# Allegro board 1156197-TDI_VU3P_QSFP28_CXP_V001_1023A-166-20241121_1644_PCB.brd (continued)
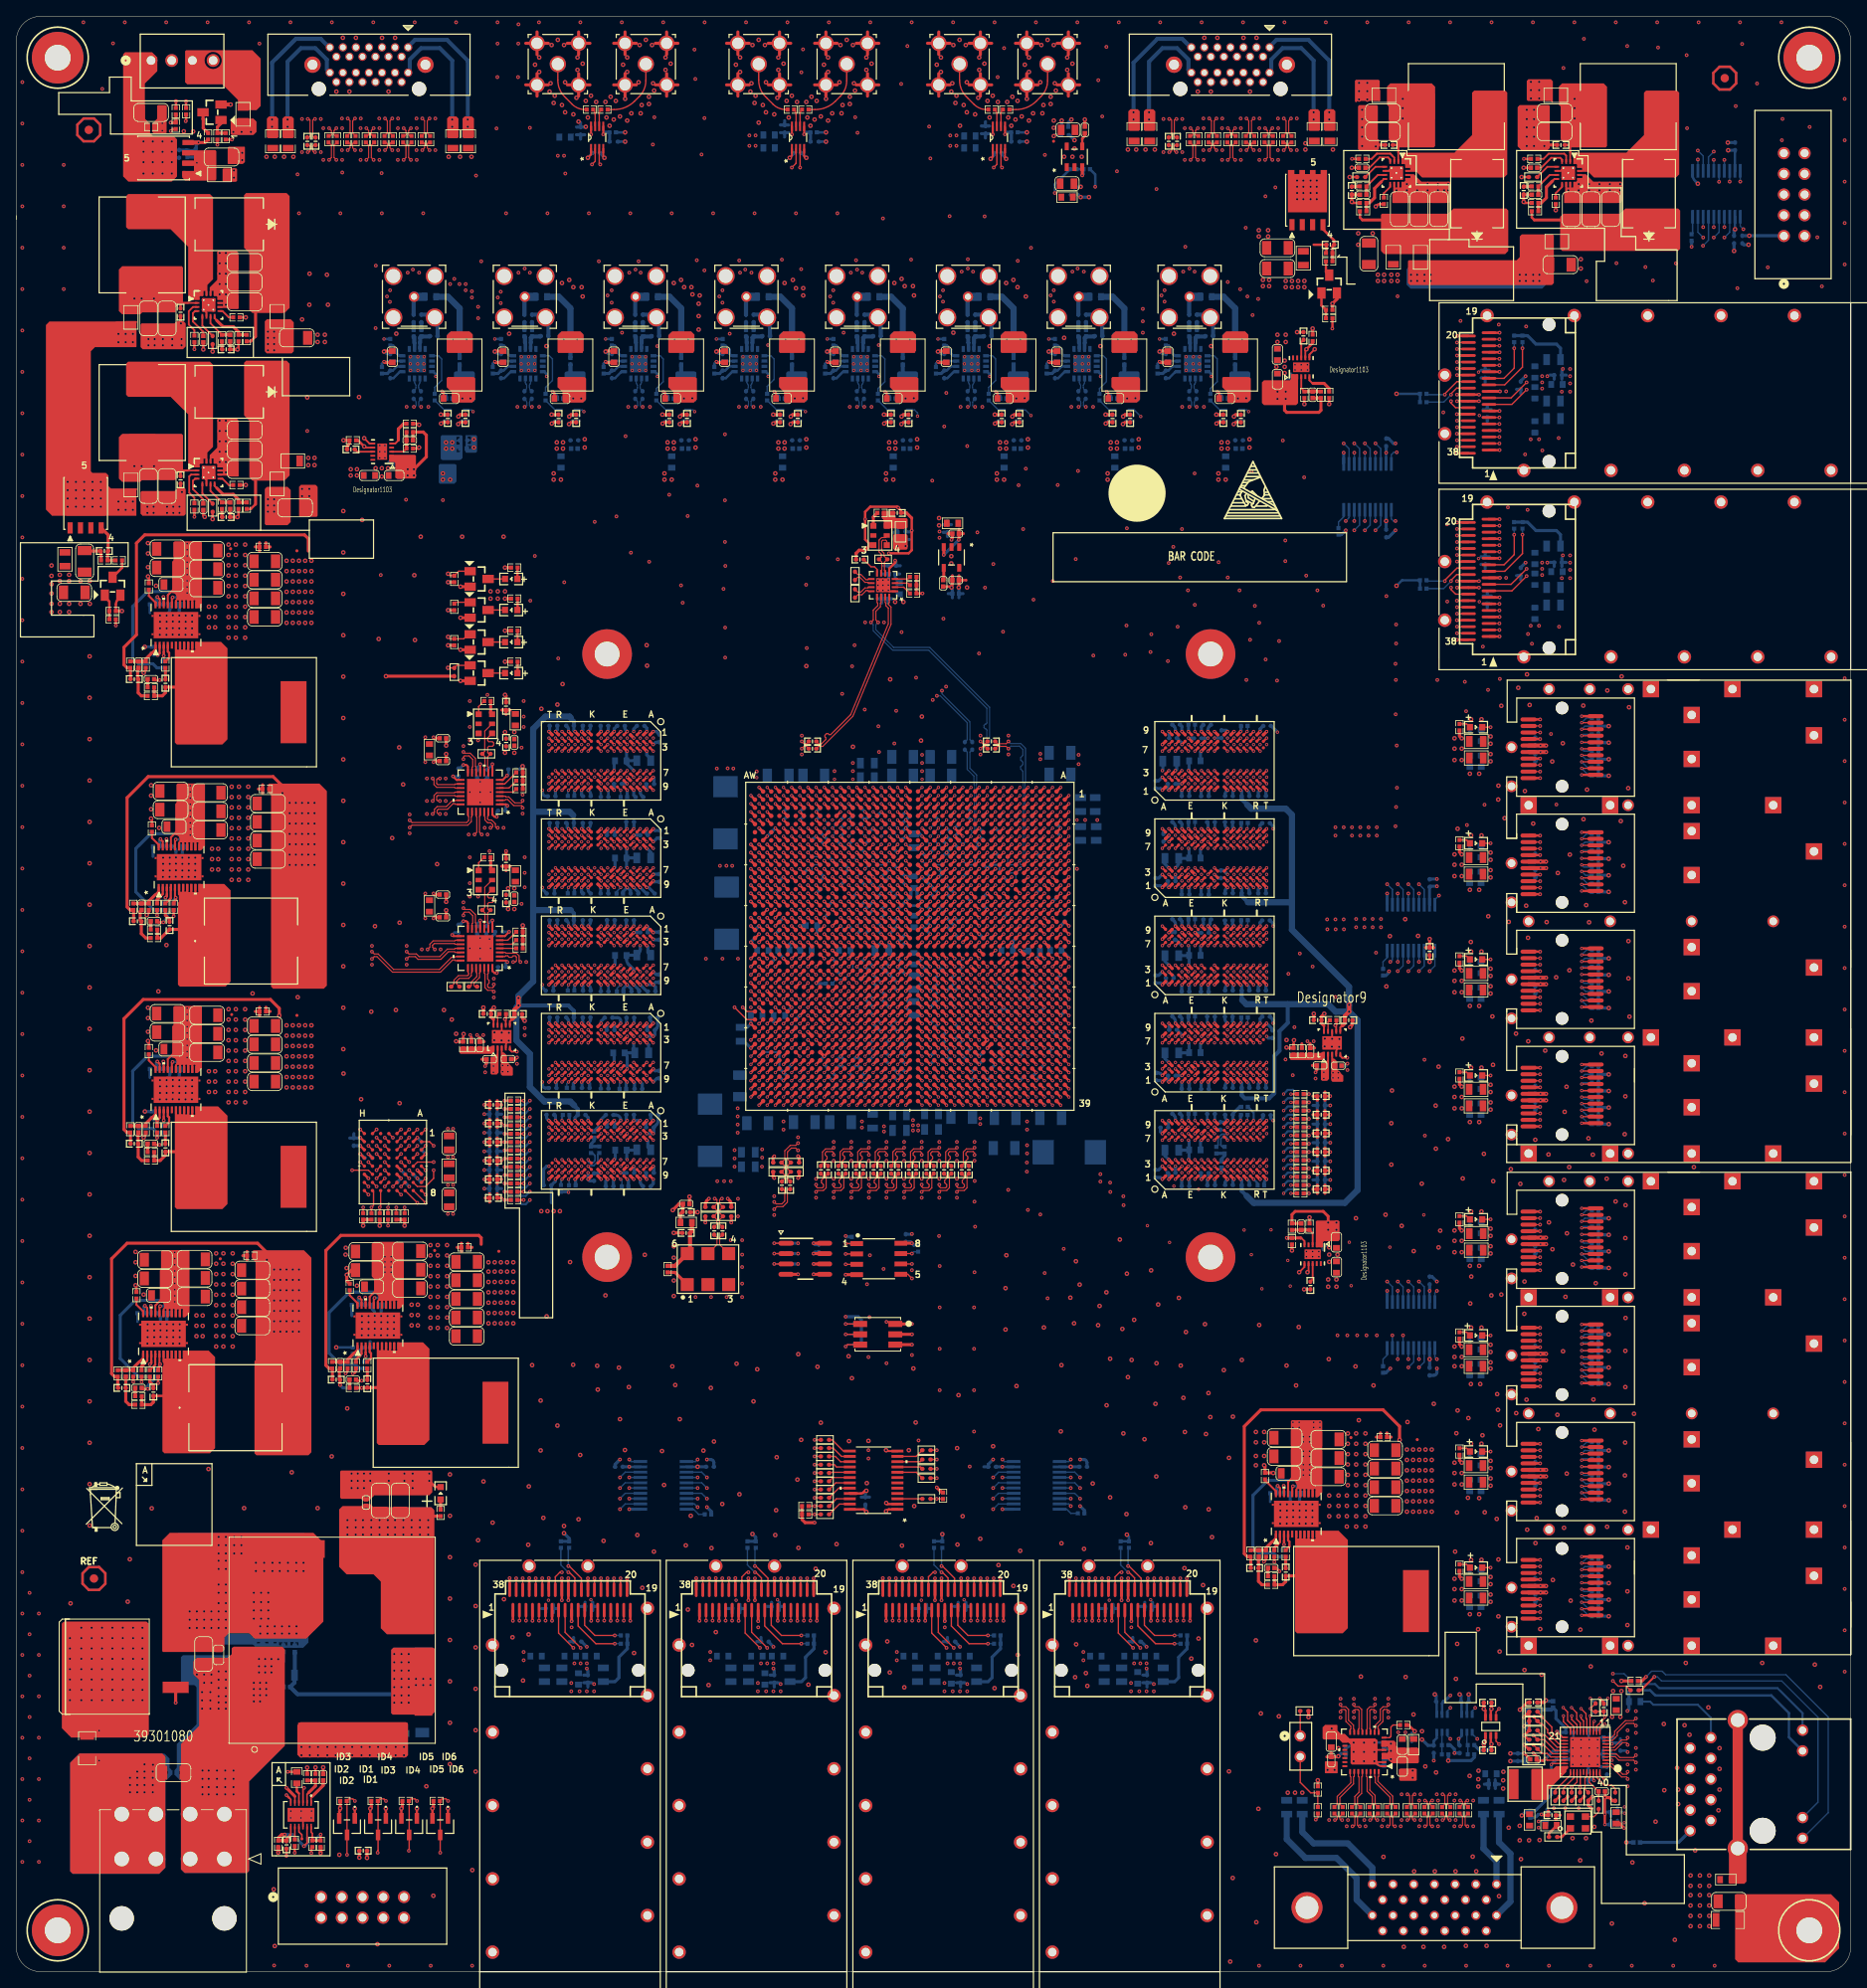
[diagram p0: board, top side]
## Routing (per net, layer and track width the routed paths; a pad name or vN(x,y) marks a point on that pad's centre or on a via; arc(x,y) is an arc through that point) (continued)
  ART07 w0.165: 67.33,152.37 67.33,151.82 v3(67.73,151.42)
  ART07 w0.191: v1(101.1,135.36) 101.1,135.65 101.6,136.14 101.6,137.59 101.35,137.85 100.83,137.85 100.63,138.04 100.63,145.77 101.02,146.15 101.02,154.76 95.85,159.92 78.49,159.92 75.18,156.62 69.52,156.62 67.33,154.43 67.33,152.37
  ART14 w0.165: 67.28,104.8 67.33,104.75 67.33,104.06 v3(67.73,103.66)
  ART14 w0.191: 67.28,104.8 66.67,105.41 62.71,105.41 v1(62.23,105.89)
CHA_FPGA_DDR4_C1_BA1: length 129.2
  TOP w0.267: U9.N8 v3(67.73,98.06) ; U8.N8 v3(67.73,133.88) ; U11.N8 v3(67.73,110) ; U1.AL11 v1(98.1,135.36) ; R110.1 v1(62.23,96.75) ; U7.N8 v3(67.73,121.94) ; U10.N8 v3(67.73,145.82)
  ART07 w0.165: v3(67.73,145.82) 67.73,145.57 67.34,145.18 67.34,144.78 ; v3(67.73,98.06) 67.33,97.66 67.33,97.03 67.39,96.98
  ART07 w0.191: 67.39,96.98 67.11,96.7 64.14,96.7 63.75,96.32 62.66,96.32 v1(62.23,96.75) ; 67.34,144.78 67.34,144.77 67.34,143.45 67.53,143.26 78.74,143.26 79.93,144.45 79.93,145.52 80.12,145.71 81.17,145.71 81.36,145.9 81.36,146.28 81.17,146.47 80.12,146.47 79.93,146.66 79.93,147.19 81.08,148.34 81.75,148.34 81.94,148.15 81.94,147.21 82.13,147.02 82.51,147.02 82.7,147.21 82.7,148.15 82.89,148.34 83.27,148.34 83.46,148.15 83.46,147.28 83.65,147.09 84.03,147.09 84.22,147.28 84.22,148.15 84.41,148.34 85.54,148.34 85.73,148.53 85.73,148.96 85.92,149.15 86.3,149.15 86.49,148.96 86.49,148.53 86.68,148.34 87.06,148.34 87.25,148.53 87.25,148.96 87.44,149.15 87.83,149.15 88.02,148.96 88.02,148.53 88.21,148.34 88.59,148.34 88.78,148.53 88.78,148.96 88.97,149.15 89.35,149.15 89.54,148.96 89.54,148.53 89.73,148.34 90.08,148.34 90.27,148.15 90.27,147.57 90.08,147.38 89.56,147.38 89.37,147.19 89.37,146.81 89.56,146.62 90.08,146.62 90.27,146.43 90.27,146.05 90.08,145.86 89.62,145.86 89.43,145.67 89.43,145.29 89.62,145.1 90.18,145.1 90.53,144.75 90.53,141.15 90.81,140.87 91.29,140.87 92.58,139.57 92.58,139.19 92.96,138.81 93.32,138.81 93.6,138.53 93.6,138.18 93.95,137.82 94.34,137.82 94.61,137.54 94.61,137.16 94.87,136.91 95.25,136.91 95.63,136.53 95.63,136.14 95.89,135.89 97.57,135.89 v1(98.1,135.36)
  ART12 w0.122: v3(67.73,145.82) 68.13,145.41 68.13,144.64 68.25,144.52 68.28,144.52 68.4,144.4 68.4,144.15 68.28,144.03 68.1,144.03 67.98,143.91 67.98,143.66 68.1,143.54 68.28,143.54 68.4,143.42 68.4,143.18 68.28,143.05 68.1,143.05 67.98,142.93 67.98,142.69 68.1,142.57 68.28,142.57 68.4,142.44 68.4,142.2 68.28,142.08 68.1,142.08 67.98,141.96 67.98,141.71 68.1,141.59 68.28,141.59 68.4,141.47 68.4,141.23 68.28,141.1 68.25,141.1 68.13,140.98 68.13,137.44 68.01,137.31 67.86,137.31 67.74,137.19 67.74,136.95 67.86,136.83 68.01,136.83 68.13,136.7 68.13,136.46 68.01,136.34 67.86,136.34 67.74,136.22 67.74,135.97 67.86,135.85 68.01,135.85 68.13,135.73 U8.N8 v3(67.73,133.88) 68.13,133.48 68.13,132.55 67.98,132.39 67.98,131.73 68.1,131.6 68.18,131.6 68.33,131.46 68.33,131.24 68.2,131.12 68.1,131.12 67.98,130.99 67.98,130.75 68.1,130.63 68.18,130.63 68.33,130.48 68.33,130.26 68.2,130.14 68.1,130.14 67.98,130.02 67.98,129.78 68.13,129.62 68.13,125.5 68.01,125.38 67.86,125.38 67.74,125.25 67.74,125.01 67.86,124.89 68.01,124.89 68.13,124.77 68.13,124.52 68.01,124.4 67.86,124.4 67.74,124.28 67.74,124.04 67.86,123.91 68.01,123.91 68.13,123.79 U7.N8 v3(67.73,121.94) 68.13,121.54 68.13,120.61 67.98,120.45 67.98,119.79 68.1,119.67 68.25,119.67 68.38,119.54 68.38,119.33 68.23,119.18 68.1,119.18 67.98,119.06 67.98,118.81 68.1,118.69 68.18,118.69 68.33,118.54 68.33,118.33 68.2,118.2 68.1,118.2 67.98,118.08 67.98,117.84 68.13,117.69 68.13,113.56 68.01,113.44 67.86,113.44 67.74,113.32 67.74,113.07 67.86,112.95 68.01,112.95 68.13,112.83 68.13,112.58 68.01,112.46 67.86,112.46 67.74,112.34 67.74,112.1 67.86,111.98 68.01,111.98 68.13,111.85 U11.N8 v3(67.73,110) 68.13,109.6 68.13,108.67 67.98,108.52 67.98,107.85 68.1,107.73 68.25,107.73 68.38,107.61 68.38,107.39 68.23,107.24 68.1,107.24 67.98,107.12 67.98,106.87 68.1,106.75 68.18,106.75 68.33,106.61 68.33,106.39 68.2,106.27 68.1,106.27 67.98,106.14 67.98,105.9 68.13,105.75 68.13,101.62 68.01,101.5 67.86,101.5 67.74,101.38 67.74,101.13 67.86,101.01 68.01,101.01 68.13,100.89 68.13,100.65 68.01,100.52 67.86,100.52 67.74,100.4 67.74,100.16 67.86,100.04 68.01,100.04 68.13,99.92 U9.N8 v3(67.73,98.06)
CHA_FPGA_DDR4_C1_BG0: length 133.6
  TOP w0.267: U7.M2 v3(68.53,127.54) ; U11.M2 v3(68.53,115.6) ; U9.M2 v3(68.53,103.66) ; U1.AH10 v1(101.1,136.36) ; U10.M2 v3(68.53,151.42) ; U8.M2 v3(68.53,139.48)
  ART03 w0.122: v3(68.53,151.42) U10.M2 68.93,144.46 69.05,144.34 69.5,144.34 69.62,144.22 69.62,143.98 69.5,143.85 69.05,143.85 68.93,143.73 68.93,143.49 69.05,143.37 69.58,143.37 69.7,143.25 69.7,143 69.58,142.88 69.05,142.88 68.93,142.76 68.93,142.51 69.05,142.39 69.5,142.39 69.62,142.27 69.62,142.03 69.5,141.9 69.05,141.9 68.93,141.78 68.93,141.54 69.05,141.42 69.5,141.42 69.62,141.29 69.62,141.05 69.5,140.93 69.05,140.93 68.93,140.81 68.93,139.88 v3(68.53,139.48) U8.M2 68.93,132.71 69.05,132.59 69.19,132.59 69.32,132.47 69.32,132.22 69.19,132.1 69.05,132.1 68.93,131.98 68.93,131.74 69.05,131.61 69.19,131.61 69.32,131.49 69.32,131.25 69.19,131.13 69.05,131.13 68.93,131 68.93,130.76 69.05,130.64 69.19,130.64 69.32,130.52 69.32,130.27 69.19,130.15 69.05,130.15 68.93,130.03 68.93,129.79 69.05,129.66 69.19,129.66 69.32,129.54 69.32,129.3 69.19,129.18 69.05,129.18 68.93,129.05 68.93,127.94 v3(68.53,127.54) U7.M2 68.93,120.77 69.05,120.65 69.19,120.65 69.32,120.53 69.32,120.29 69.19,120.16 69.05,120.16 68.93,120.04 68.93,119.8 69.05,119.68 69.19,119.68 69.32,119.55 69.32,119.31 69.19,119.19 69.05,119.19 68.93,119.07 68.93,118.82 69.05,118.7 69.19,118.7 69.32,118.58 69.32,118.34 69.19,118.21 69.05,118.21 68.93,118.09 68.93,117.85 69.05,117.73 69.19,117.73 69.32,117.6 69.32,117.36 69.19,117.24 69.05,117.24 68.93,117.12 68.93,116 v3(68.53,115.6) U11.M2 68.93,108.84 69.05,108.71 69.19,108.71 69.32,108.59 69.32,108.35 69.19,108.23 69.05,108.23 68.93,108.1 68.93,107.86 69.05,107.74 69.19,107.74 69.32,107.62 69.32,107.37 69.19,107.25 69.05,107.25 68.93,107.13 68.93,106.88 69.05,106.76 69.19,106.76 69.32,106.64 69.32,106.4 69.19,106.28 69.05,106.28 68.93,106.15 68.93,105.91 69.05,105.79 69.19,105.79 69.32,105.67 69.32,105.42 69.19,105.3 69.05,105.3 68.93,105.18 68.93,104.06 v3(68.53,103.66)
  ART07 w0.165: 68.13,152.37 68.13,151.82 v3(68.53,151.42)
  ART07 w0.191: 68.13,152.37 68.13,154.06 69.88,155.8 75.64,155.8 78.95,159.11 94.69,159.11 95.17,158.63 95.44,158.63 95.75,158.94 96.02,158.94 96.29,158.67 96.29,158.4 95.98,158.09 95.98,157.82 96.25,157.55 96.52,157.55 96.83,157.87 97.1,157.87 97.37,157.6 97.37,157.33 97.05,157.01 97.05,156.74 97.32,156.47 97.59,156.47 97.91,156.79 98.18,156.79 98.45,156.52 98.45,156.25 98.13,155.93 98.13,155.66 98.4,155.39 98.67,155.39 98.8,155.52 99.07,155.52 99.34,155.25 99.34,154.98 99.21,154.86 99.21,154.59 99.85,153.95 99.85,146.23 99.59,145.97 99.59,137.19 99.9,136.87 100.39,136.87 100.9,136.36 v1(101.1,136.36)
  ART14 w0.165: v3(68.53,103.66) 68.13,104.06 68.13,104.65
  ART14 w0.191: 68.13,104.65 68.13,104.84 67.06,105.92 63.02,105.92 v1(62.99,105.89)
  BOTTOM w0.267: R113.1 61.97,105.38 62.48,105.38 v1(62.99,105.89)
CHA_FPGA_DDR4_C1_CAS: length 125.3
  TOP w0.267: U10.M8 v3(68.53,145.82) ; U1.AN10 v1(96.1,136.36) ; U7.M8 v3(68.53,121.94) ; U9.M8 v3(68.53,98.06) ; U8.M8 v3(68.53,133.88) ; R117.1 v1(62.23,95.73) ; U11.M8 v3(68.53,110)
  ART07 w0.165: v3(68.53,145.82) 68.94,145.41 68.94,144.86
  ART07 w0.191: 68.94,144.86 68.94,144.67 69.13,144.48 78.21,144.48 78.79,145.06 78.79,147.88 82.53,151.62 91.01,151.62 91.48,151.15 91.48,150.88 90.63,150.03 90.63,149.76 90.89,149.49 91.16,149.49 92.01,150.34 92.28,150.34 92.55,150.07 92.55,149.8 91.7,148.95 91.7,148.68 91.97,148.41 92.24,148.41 93.09,149.26 93.36,149.26 93.9,148.72 93.9,147.96 93.71,147.77 92.37,147.77 92.18,147.58 92.18,147.03 92.37,146.84 93.69,146.84 93.88,146.65 93.88,146.27 93.69,146.07 92.8,146.07 92.61,145.88 92.61,141.88 93.6,140.89 93.6,140.18 93.9,139.88 94.23,139.88 94.61,139.5 94.61,138.1 94.87,137.85 95.33,137.85 95.63,137.54 95.63,137.16 96.1,136.69 v1(96.1,136.36)
  ART12 w0.122: v3(68.53,145.82) 68.93,145.41 68.93,144.61 69.05,144.49 69.17,144.49 69.29,144.36 69.29,144.12 69.17,144 69.05,144 68.93,143.88 68.93,143.63 69.05,143.51 69.17,143.51 69.29,143.39 69.29,143.14 69.17,143.02 69.05,143.02 68.93,142.9 68.93,142.66 69.05,142.53 69.17,142.53 69.29,142.41 69.29,142.17 69.17,142.05 69.05,142.05 68.93,141.93 68.93,141.68 69.05,141.56 69.17,141.56 69.29,141.44 69.29,141.19 69.17,141.07 69.05,141.07 68.93,140.95 68.93,137.51 68.81,137.39 68.6,137.39 68.48,137.26 68.48,137.02 68.6,136.9 68.81,136.9 68.93,136.78 68.93,136.53 68.81,136.41 68.6,136.41 68.48,136.29 68.48,136.04 68.6,135.92 68.81,135.92 68.93,135.8 U8.M8 v3(68.53,133.88) 68.93,133.48 68.93,132.49 68.81,132.36 68.75,132.36 68.63,132.24 68.63,132 68.75,131.88 68.81,131.88 68.93,131.75 68.93,129.63 68.81,129.5 68.68,129.5 68.55,129.38 68.55,129.14 68.68,129.02 68.81,129.02 68.93,128.89 68.93,125.57 68.81,125.45 68.6,125.45 68.48,125.33 68.48,125.08 68.6,124.96 68.81,124.96 68.93,124.84 68.93,124.59 68.81,124.47 68.6,124.47 68.48,124.35 68.48,124.11 68.6,123.98 68.81,123.98 68.93,123.86 U7.M8 v3(68.53,121.94) 68.93,121.54 68.93,120.55 68.71,120.32 68.71,120.04 68.93,119.82 68.93,117.69 68.81,117.57 68.68,117.57 68.55,117.44 68.55,117.2 68.68,117.08 68.81,117.08 68.93,116.96 68.93,113.63 68.81,113.51 68.6,113.51 68.48,113.39 68.48,113.14 68.6,113.02 68.81,113.02 68.93,112.9 68.93,112.66 68.81,112.53 68.6,112.53 68.48,112.41 68.48,112.17 68.6,112.05 68.81,112.05 68.93,111.92 U11.M8 v3(68.53,110) 68.93,109.6 68.93,108.61 68.71,108.39 68.71,108.1 68.93,107.88 68.93,105.75 68.81,105.63 68.68,105.63 68.55,105.51 68.55,105.26 68.68,105.14 68.81,105.14 68.93,105.02 68.93,101.69 68.81,101.57 68.6,101.57 68.48,101.45 68.48,101.21 68.6,101.08 68.81,101.08 68.93,100.96 68.93,100.72 68.81,100.6 68.6,100.6 68.48,100.47 68.48,100.23 68.6,100.11 68.81,100.11 68.93,99.99 U9.M8 v3(68.53,98.06)
  ART14 w0.165: 64.8,97.43 65.02,97.66 68.13,97.66 v3(68.53,98.06)
  ART14 w0.191: v1(62.23,95.73) 62.76,96.27 63.63,96.27 64.8,97.43
CHA_FPGA_DDR4_C1_CK_N: length 118.6
  TOP w0.152: U1.AN7 v3(96.1,139.36)
  TOP w0.211: U7.K8 v3(70.13,122.74) ; U11.K8 v3(70.13,110.8) ; U8.K8 v3(70.13,134.68) ; U9.K8 v3(70.13,98.86) ; U10.K8 v3(70.13,146.62)
  ART07 w0.102: v3(96.1,139.36) 96.4,139.36 96.5,139.46 96.5,145.81 96.45,145.86 96.45,145.89
  ART07 w0.165: 70.54,147.51 70.54,147.02 v3(70.13,146.62)
  ART07 w0.178: 70.54,147.51 70.54,147.67 70.97,148.1 70.97,152.42 71.43,152.88 78.23,152.88 80.21,154.86 81.82,154.86 82.18,155.22 82.18,155.75 82.36,155.93 83.07,155.93 83.24,155.75 83.24,155.22 83.6,154.86 84.57,154.86 84.93,155.22 84.93,155.75 85.1,155.93 85.82,155.93 85.99,155.75 85.99,155.22 86.35,154.86 87.32,154.86 87.67,155.22 87.67,155.75 87.85,155.93 88.56,155.93 88.74,155.75 88.74,155.22 89.1,154.86 90.07,154.86 90.42,155.22 90.42,155.75 90.6,155.93 91.31,155.93 91.49,155.75 91.49,155.22 91.85,154.86 92.81,154.86 93.17,155.22 93.17,155.75 93.35,155.93 94.06,155.93 94.24,155.75 94.24,155.22 94.6,154.86 94.89,154.86 96.95,152.81 96.95,148.06 96.45,147.56 96.45,145.89
  ART16 w0.137: v3(70.13,98.86) 69.88,99.11 arc(69.79,99.26) 69.75,99.43 69.75,100.13 70.66,101.04 70.66,105.96 70.98,106.27 71.56,106.27 71.78,106.49 71.78,106.88 71.56,107.1 70.98,107.1 70.66,107.41 70.66,110.05 70.2,110.51 70.2,110.73 v3(70.13,110.8) 69.75,111.18 69.75,112.07 70.66,112.98 70.66,117.89 70.98,118.21 71.56,118.21 71.7,118.35 71.7,118.9 71.56,119.03 70.98,119.03 70.66,119.35 70.66,121.99 70.2,122.45 70.2,122.67 v3(70.13,122.74) 69.75,123.12 69.75,124.01 70.66,124.92 70.66,129.83 70.98,130.15 71.56,130.15 71.7,130.29 71.7,130.83 71.56,130.97 70.98,130.97 70.66,131.29 70.66,133.93 70.2,134.39 70.2,134.6 v3(70.13,134.68) 69.75,135.06 69.75,136.18 70.63,137.06 70.63,142.5 70.95,142.82 71.51,142.82 71.65,142.95 71.65,143.5 71.51,143.64 70.95,143.64 70.63,143.96 70.63,145.89 70.13,146.4 v3(70.13,146.62)
  BOTTOM w0.211: R126.1 71.31,100.3 71.31,99.41 70.84,98.94 70.21,98.94 v3(70.13,98.86)
CHA_FPGA_DDR4_C1_CK_P: length 118.5
  TOP w0.152: U1.AM7 v3(97.1,139.36)
  TOP w0.211: U11.K7 v3(70.13,111.6) ; U10.K7 v3(70.13,147.42) ; U7.K7 v3(70.13,123.54) ; U9.K7 v3(70.13,99.66) ; U8.K7 v3(70.13,135.48)
  ART07 w0.102: 96.75,145.89 96.75,145.86 96.7,145.81 96.7,139.54 96.89,139.36 v3(97.1,139.36)
  ART07 w0.165: 70.23,147.51 70.23,147.49 70.15,147.42 v3(70.13,147.42)
  ART07 w0.178: 96.75,145.89 96.75,147.43 97.26,147.93 97.26,152.93 95.02,155.17 94.72,155.17 94.55,155.35 94.55,155.88 94.19,156.24 93.22,156.24 92.86,155.88 92.86,155.35 92.69,155.17 91.97,155.17 91.8,155.35 91.8,155.88 91.44,156.24 90.47,156.24 90.12,155.88 90.12,155.35 89.94,155.17 89.23,155.17 89.05,155.35 89.05,155.88 88.69,156.24 87.72,156.24 87.37,155.88 87.37,155.35 87.19,155.17 86.48,155.17 86.3,155.35 86.3,155.88 85.94,156.24 84.98,156.24 84.62,155.88 84.62,155.35 84.44,155.17 83.73,155.17 83.55,155.35 83.55,155.88 83.19,156.24 82.23,156.24 81.87,155.88 81.87,155.35 81.69,155.17 80.09,155.17 78.1,153.19 71.3,153.19 70.66,152.55 70.66,148.23 70.23,147.8 70.23,147.51
  ART16 w0.137: v3(70.13,99.66) 70.13,100.08 70.97,100.91 70.97,105.83 71.1,105.97 71.69,105.97 72.09,106.36 72.09,107.01 71.69,107.4 71.1,107.4 70.97,107.54 70.97,110.18 70.53,110.62 70.53,111.31 70.24,111.6 v3(70.13,111.6) 70.13,112.02 70.97,112.85 70.97,117.77 71.1,117.9 71.69,117.9 72.01,118.22 72.01,119.02 71.69,119.34 71.1,119.34 70.97,119.48 70.97,122.12 70.53,122.56 70.53,123.25 70.24,123.54 v3(70.13,123.54) 70.13,123.95 70.97,124.79 70.97,129.7 71.1,129.84 71.69,129.84 72.01,130.16 72.01,130.96 71.69,131.28 71.1,131.28 70.97,131.42 70.97,134.06 70.53,134.49 70.53,135.18 70.24,135.48 v3(70.13,135.48) 70.13,136.12 70.94,136.93 70.94,142.37 71.08,142.51 71.64,142.51 71.96,142.83 71.96,143.63 71.64,143.95 71.08,143.95 70.94,144.08 70.94,146.02 70.53,146.43 U10.K7 v3(70.13,147.42)
  BOTTOM w0.211: v3(70.13,99.66) 70.1,99.53 70.27,99.28 70.7,99.28 70.98,99.55 70.98,100.16 70.66,100.49 70.49,100.49 R125.1
CHA_FPGA_DDR4_C1_CKE: length 134.2
  TOP w0.267: U1.AL12 v1(98.1,134.36) ; U9.K2 v3(70.13,103.66) ; U11.K2 v3(70.13,115.6) ; U7.K2 v3(70.13,127.54) ; U10.K2 v3(70.13,151.42) ; U8.K2 v3(70.13,139.48)
  ART03 w0.122: v3(70.13,151.42) U10.K2 70.53,149.38 70.41,149.26 70.18,149.26 70.05,149.14 70.05,148.89 70.18,148.77 70.41,148.77 70.53,148.65 70.53,148.41 70.41,148.28 70.18,148.28 70.05,148.16 70.05,147.92 70.18,147.8 70.41,147.8 70.53,147.68 70.53,146.11 70.65,145.99 71.13,145.99 71.25,145.87 71.25,145.63 71.13,145.5 70.65,145.5 70.53,145.38 70.53,144.96 71.09,144.4 71.09,144.21 71.22,144.09 71.33,144.09 71.45,143.97 71.45,143.72 71.33,143.6 71.22,143.6 71.09,143.48 71.09,143.24 71.22,143.11 71.38,143.11 71.5,142.99 71.5,142.75 71.38,142.63 71.22,142.63 71.09,142.5 71.09,142.26 71.22,142.14 71.33,142.14 71.45,142.02 71.45,141.77 71.33,141.65 71.22,141.65 71.09,141.53 71.09,141.28 71.22,141.16 71.33,141.16 71.45,141.04 71.45,140.8 71.33,140.68 71.22,140.68 71.09,140.55 71.09,140.44 v3(70.13,139.48) U8.K2 70.53,137.44 70.41,137.32 70.18,137.32 70.05,137.2 70.05,136.96 70.18,136.83 70.41,136.83 70.53,136.71 70.53,136.47 70.41,136.35 70.18,136.35 70.05,136.23 70.05,135.98 70.18,135.86 70.41,135.86 70.53,135.74 70.53,130.12 70.41,130 70.28,130 70.15,129.87 70.15,129.63 70.28,129.51 70.41,129.51 70.53,129.39 70.53,127.94 v3(70.13,127.54) U7.K2 70.53,125.51 70.41,125.38 70.18,125.38 70.05,125.26 70.05,125.02 70.18,124.9 70.51,124.9 70.66,124.75 70.66,124.53 70.54,124.41 70.18,124.41 70.05,124.29 70.05,124.04 70.18,123.92 70.41,123.92 70.53,123.8 70.53,118.18 70.41,118.06 70.28,118.06 70.15,117.94 70.15,117.69 70.28,117.57 70.41,117.57 70.53,117.45 70.53,116 v3(70.13,115.6) U11.K2 70.53,113.57 70.41,113.45 70.18,113.45 70.05,113.32 70.05,113.08 70.18,112.96 70.51,112.96 70.66,112.81 70.66,112.59 70.54,112.47 70.18,112.47 70.05,112.35 70.05,112.11 70.18,111.98 70.41,111.98 70.53,111.86 70.53,106.24 70.41,106.12 70.28,106.12 70.15,106 70.15,105.75 70.28,105.63 70.41,105.63 70.53,105.51 70.53,104.06 v3(70.13,103.66)
  ART07 w0.165: v3(70.13,151.42) 69.73,151.82 69.73,152.37
  ART07 w0.191: v1(98.1,134.36) 98.55,134.81 98.55,136.58 98.32,136.8 97.83,136.8 97.64,136.99 97.64,145.95 98.55,146.86 98.55,153.49 94.95,157.1 91.26,157.1 91.07,157.29 91.07,157.52 90.88,157.71 90.5,157.71 90.31,157.52 90.31,157.29 90.12,157.1 89.74,157.1 89.55,157.29 89.55,157.52 89.36,157.71 88.97,157.71 88.78,157.52 88.78,157.29 88.59,157.1 88.21,157.1 88.02,157.29 88.02,157.52 87.83,157.71 87.45,157.71 87.26,157.52 87.26,157.29 87.07,157.1 86.69,157.1 86.5,157.29 86.5,157.52 86.31,157.71 85.93,157.71 85.74,157.52 85.74,157.29 85.55,157.1 85.16,157.1 84.97,157.29 84.97,157.52 84.78,157.71 84.4,157.71 84.21,157.52 84.21,157.29 84.02,157.1 83.64,157.1 83.45,157.29 83.45,157.52 83.26,157.71 82.88,157.71 82.69,157.52 82.69,157.29 82.5,157.1 82.12,157.1 81.93,157.29 81.93,157.52 81.74,157.71 81.35,157.71 81.16,157.52 81.16,157.29 80.97,157.1 80.47,157.1 77.56,154.19 70.45,154.19 69.73,153.47 69.73,152.37
  ART14 w0.165: 69.73,104.65 69.73,104.06 v3(70.13,103.66)
  ART14 w0.191: 69.73,104.65 69.73,104.97 67.64,107.06 63.14,107.06 v1(62.99,106.91)
  BOTTOM w0.267: R120.1 61.97,106.4 62.48,106.4 v1(62.99,106.91)
CHA_FPGA_DDR4_C1_CS: length 128
  TOP w0.267: R114.1 v1(62.23,94.72) ; U1.AN9 v1(96.1,137.36) ; U9.L7 v3(69.33,99.66) ; U10.L7 v3(69.33,147.42) ; U11.L7 v3(69.33,111.6) ; U7.L7 v3(69.33,123.54) ; U8.L7 v3(69.33,135.48)
  ART07 w0.165: v3(69.33,147.42) 69.65,147.1 69.65,146.86 69.72,146.78 69.72,146.45 69.97,146.21 70.29,146.21 70.3,146.2 71.12,146.2 71.33,146.41 71.33,146.79 71.55,147.02 71.88,147.02 72.12,147.25 72.12,147.89
  ART07 w0.191: 72.12,147.89 73.1,148.87 77.93,148.87 78.77,149.71 78.77,151.99 80,153.23 80.4,153.23 80.59,153.42 80.59,153.71 80.8,153.92 81.16,153.92 81.35,153.73 81.35,153.42 81.54,153.23 81.92,153.23 82.11,153.42 82.11,153.71 82.33,153.92 82.68,153.92 82.87,153.73 82.87,153.42 83.06,153.23 83.44,153.23 83.63,153.42 83.63,153.71 83.85,153.92 84.21,153.92 84.4,153.73 84.4,153.42 84.59,153.23 84.97,153.23 85.16,153.42 85.16,153.71 85.37,153.92 85.73,153.92 85.92,153.73 85.92,153.42 86.11,153.23 86.49,153.23 86.68,153.42 86.68,153.71 86.9,153.92 87.25,153.92 87.44,153.73 87.44,153.42 87.63,153.23 88.02,153.23 88.21,153.42 88.21,153.71 88.42,153.92 88.78,153.92 88.97,153.73 88.97,153.42 89.16,153.23 89.54,153.23 89.73,153.42 89.73,153.71 89.95,153.92 90.3,153.92 90.49,153.73 90.49,153.42 90.68,153.23 91.06,153.23 91.25,153.42 91.25,153.71 91.47,153.92 91.83,153.92 92.02,153.73 92.02,153.42 92.21,153.23 92.59,153.23 92.78,153.42 92.78,153.71 92.99,153.92 93.35,153.92 93.54,153.73 93.54,153.42 93.73,153.23 95.08,153.23 95.63,152.68 95.63,138.18 96.1,137.71 v1(96.1,137.36)
  ART14 w0.165: v3(69.33,99.66) 68.93,99.26 68.93,97 68.81,96.88
  ART14 w0.191: v1(62.23,94.72) 62.71,95.2 66.12,95.2 67.36,96.44 68.38,96.44 68.81,96.88
  ART16 w0.122: v3(69.33,147.42) 68.93,147.02 68.93,144.71 69.16,144.48 69.16,144.11 69.29,143.99 69.45,143.99 69.57,143.87 69.57,143.62 69.45,143.5 69.29,143.5 69.16,143.38 69.16,143.13 69.29,143.01 69.45,143.01 69.57,142.89 69.57,142.65 69.45,142.53 69.29,142.53 69.16,142.4 69.16,142.16 69.29,142.04 69.45,142.04 69.57,141.92 69.57,141.67 69.45,141.55 69.29,141.55 69.16,141.43 69.16,140.82 68.93,140.59 68.93,135.88 v3(69.33,135.48) 68.93,135.08 68.93,132.46 69.05,132.34 69.17,132.34 69.29,132.22 69.29,131.98 69.17,131.85 69.05,131.85 68.93,131.73 68.93,131.49 69.05,131.37 69.17,131.37 69.29,131.25 69.29,131 69.17,130.88 69.05,130.88 68.93,130.76 68.93,130.51 69.05,130.39 69.17,130.39 69.29,130.27 69.29,130.03 69.17,129.9 69.05,129.9 68.93,129.78 68.93,129.54 69.05,129.42 69.17,129.42 69.29,129.29 69.29,129.05 69.17,128.93 69.05,128.93 68.93,128.81 68.93,123.94 v3(69.33,123.54) 68.93,123.14 68.93,120.53 69.05,120.4 69.22,120.4 69.34,120.28 69.34,120.04 69.22,119.92 69.05,119.92 68.93,119.8 68.93,119.55 69.05,119.43 69.22,119.43 69.34,119.31 69.34,119.06 69.22,118.94 69.05,118.94 68.93,118.82 68.93,118.58 69.05,118.45 69.25,118.45 69.37,118.33 69.37,118.09 69.25,117.97 69.05,117.97 68.93,117.84 68.93,117.6 69.05,117.48 69.25,117.48 69.37,117.36 69.37,117.11 69.25,116.99 69.05,116.99 68.93,116.87 68.93,112 v3(69.33,111.6) 68.93,111.2 68.93,108.59 69.05,108.47 69.22,108.47 69.34,108.34 69.34,108.1 69.22,107.98 69.05,107.98 68.93,107.86 68.93,107.61 69.05,107.49 69.22,107.49 69.34,107.37 69.34,107.13 69.22,107 69.05,107 68.93,106.88 68.93,106.64 69.05,106.52 69.25,106.52 69.37,106.39 69.37,106.15 69.25,106.03 69.05,106.03 68.93,105.91 68.93,105.66 69.05,105.54 69.25,105.54 69.37,105.42 69.37,105.17 69.25,105.05 69.05,105.05 68.93,104.93 68.93,100.06 v3(69.33,99.66)
CHA_FPGA_DDR4_C1_D0: length 44.1
  TOP w0.267: U1.AJ14 v1(100.1,132.36) ; v3(72.53,127.54) 72.93,127.14 U7.G2
  ART07 w0.165: v3(72.53,127.54) 72.13,127.94 71.49,127.94 71.45,127.98
  ART07 w0.191: v1(100.1,132.36) 99.59,132.36 99.06,131.83 95.82,131.83 95.6,131.61 95.6,128.11 95.33,127.84 94.92,127.84 94.61,127.53 94.61,127.05 94.39,126.82 93.87,126.82 93.66,126.61 93.66,126.17 93.34,125.86 89.94,125.86 89.74,126.06 81.86,126.06 76.94,130.99 75.64,130.99 74.7,131.93 73.27,131.93 73.08,131.74 73.08,131.36 72.89,131.17 72.51,131.17 72.32,131.36 72.32,131.74 72.13,131.93 71.49,131.93 71.3,131.74 71.3,128.13 71.45,127.98
CHA_FPGA_DDR4_C1_D1: length 42.6
  TOP w0.267: U1.AH17 v1(101.1,129.36) ; U7.F7 v3(74.13,123.54)
  ART07 w0.165: 75.33,120.89 75.33,122.94 74.73,123.54 v3(74.13,123.54)
  ART07 w0.191: v1(101.1,129.36) 100.6,128.86 100.6,127.16 100.24,126.8 99.82,126.8 99.6,126.58 99.6,123.99 99.41,123.8 99.29,123.8 99.28,123.8 98.92,123.8 98.29,123.8 98.28,123.8 97.92,123.8 97.29,123.8 97.28,123.8 96.92,123.8 96.66,123.54 96.66,123.15 96.31,122.8 95.85,122.8 95.66,122.61 95.66,122.25 95.26,121.86 89.95,121.86 88.77,120.68 87.07,120.68 86.18,119.79 84.8,119.79 84.61,119.98 84.61,120.38 84.42,120.57 84.04,120.57 83.85,120.38 83.85,119.98 83.66,119.79 83.28,119.79 83.09,119.98 83.09,120.38 82.9,120.57 82.52,120.57 82.33,120.38 82.33,119.98 82.14,119.79 81.76,119.79 81.56,119.98 81.56,120.38 81.37,120.57 80.99,120.57 80.8,120.38 80.8,119.98 80.61,119.79 80.23,119.79 80.04,119.98 80.04,120.38 79.85,120.57 79.47,120.57 79.28,120.38 79.28,119.98 79.09,119.79 76.15,119.79 75.33,120.61 75.33,120.89
CHA_FPGA_DDR4_C1_D2: length 44.1
  TOP w0.267: U7.H3 v3(72.53,126.74) ; U1.AG15 v1(102.1,131.36)
  ART07 w0.165: 72.93,128.45 72.93,127.14 v3(72.53,126.74)
  ART07 w0.191: v1(102.1,131.36) 101.63,131.83 99.89,131.83 99.57,131.51 99.57,131.06 99.32,130.82 96.84,130.82 96.6,130.58 96.6,128.1 96.32,127.81 95.93,127.81 95.58,127.46 95.58,127.08 95.35,126.85 94.97,126.85 94.61,126.5 94.61,126.11 93.85,125.35 89.79,125.35 89.66,125.48 81.64,125.48 76.71,130.4 75.39,130.4 74.83,130.96 73.39,130.96 73.2,130.77 73.2,130.64 73.01,130.45 72.07,130.45 71.88,130.26 71.88,129.88 72.07,129.69 73.01,129.69 73.2,129.5 73.2,128.88 72.93,128.61 72.93,128.45
CHA_FPGA_DDR4_C1_D3: length 41.7
  TOP w0.267: v1(100.1,128.36) 100.1,128.36 U1.AJ17 ; U7.H7 v3(72.53,123.54)
  ART07 w0.165: v3(72.53,123.54) 72.53,123.81 72.72,124 75.06,124 76.13,122.93 76.13,120.92
  ART07 w0.191: v1(100.1,128.36) 100.1,128.05 99.91,127.86 98.86,127.86 98.6,127.61 98.6,125.78 97.71,124.89 95.81,124.89 95.61,124.69 95.61,124.13 95.35,123.88 94.94,123.88 94.59,123.52 94.59,123.19 94.26,122.86 89.84,122.86 89.48,122.5 88.85,122.5 88.63,122.29 88.63,121.45 88.44,121.26 88.06,121.26 87.87,121.45 87.87,122.57 87.68,122.76 87.29,122.76 87.1,122.57 87.1,121.54 86.72,121.16 86.19,121.16 86,120.97 86,120.56 85.81,120.37 85.42,120.37 85.23,120.56 85.23,120.97 85.04,121.16 78.85,121.16 78.66,120.97 78.66,120.61 78.42,120.37 77.78,120.37 77.53,120.62 77.02,120.62 76.76,120.37 76.4,120.37 76.13,120.64 76.13,120.92
